# Altium PCB D11_LOCK_v1_0.PcbDoc (continued)
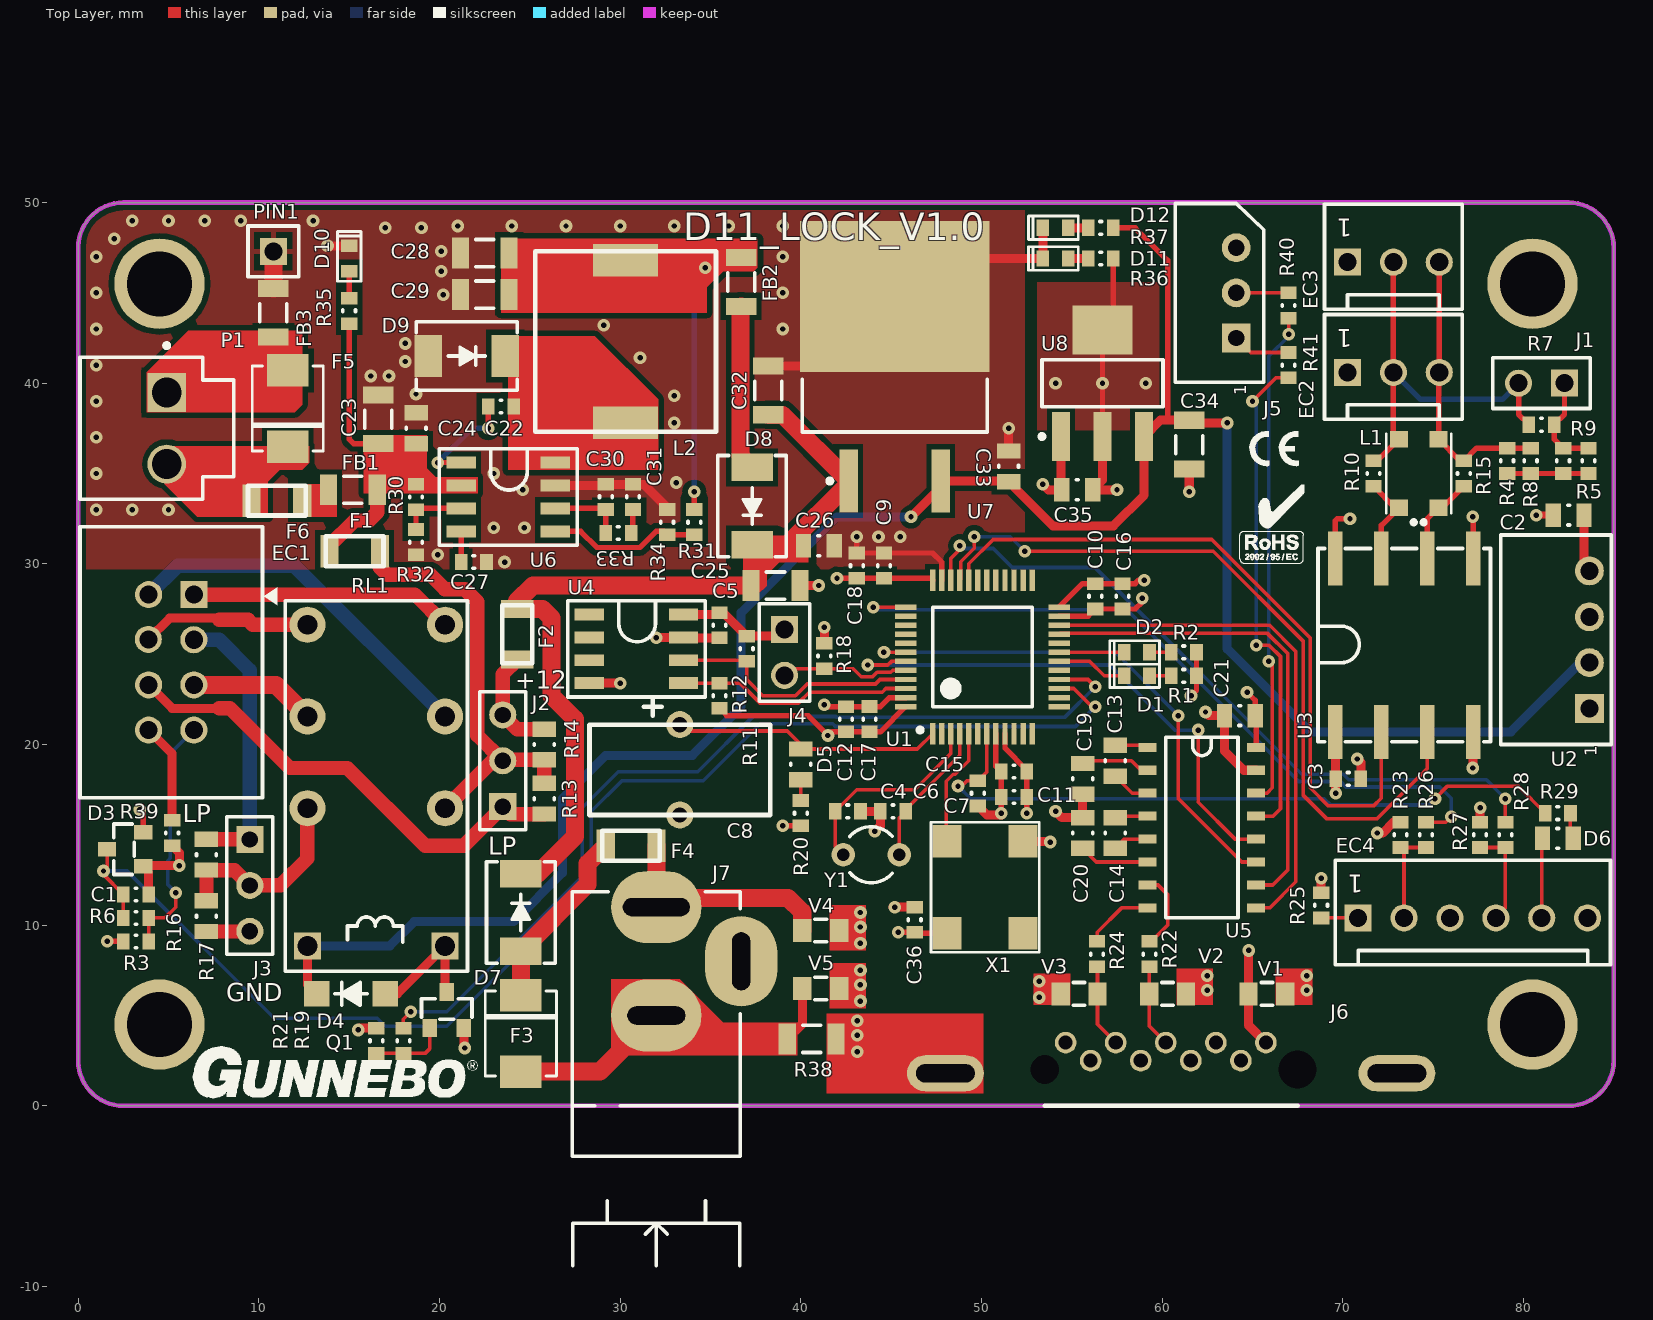
[diagram p0: Top Layer view]
## Footprints (in the part's own frame and the unit in brackets; to place one, negate y for a bottom-side part, rotate by r counter-clockwise, add the part's x,y. Pads: shape width x height; smd on the part's side, far side on the other; paste and mask are expansions set on the pad) (continued)
Oscillator_7x5 [mm]
  rect 1.8x1.6 smd: 1(-2.54,-2.1) 2(2.54,-2.1) 3(2.54,2.1) 4(-2.54,2.1)
  silkscreen extent -3.6,-3 3.6,3, body extent -3.5,-2.5 3.5,2.5, height 1.37
PIN_Debug [mm]
  rect 1.5x1.5 hole 1: 1(0,0)
  silkscreen extent -1.4,-1.4 1.4,1.4, body extent -1.27,-1.22 1.27,1.22, height 10.3
POLYFUSE_1206L [mm]
  rect 1x1.8 smd: 1(-1.4,0) 2(1.4,0)
  silkscreen extent -1.6,-0.83 1.6,0.83, body extent -1.6,-0.83 1.6,0.83, height 1.43
POWER_JACK_5.5_2.1MM_NS_v1.1 [mm]
  oval 5x4 hole 1 slot 3.7 at 0 deg: 1(0,0)
  oval 5x4 hole 1 slot 3.2 at 0 deg: 2(0,6)
  oval 4x5 hole 1 slot 3.2 at 90 deg: 3(-4.7,3)
  silkscreen extent -4.65,-0.85 4.65,19.85, body extent -4.9,-0.7 4.5,13.7, height 11.02
R38 [mm] "Crystal, Thru-Hole; 2 Leads; Body 3.1 x 8.2 mm (Dia.xH)"
  round 1.3 hole 0.7: 1(0,1.55) 2(0,-1.55)
  silkscreen extent -1.55,-1.19 1.55,1.17
R0603 [mm] "Chip Resistor, Body 1.6x0.8mm, IPC High Density"
  rect 0.7x0.9 smd: 1(-0.7,0) 2(0.7,0)
  silkscreen extent -0.05,-0.35 0.05,0.35, body extent -0.85,-0.47 0.85,0.47, height 0.6
R0805 [mm] "Chip Resistor, Body 2.0x1.3mm, IPC High Density"
  rect 0.85x1.3 smd: 1(-0.85,0) 2(0.85,0)
  silkscreen extent -0.05,-0.55 0.05,0.55, body extent -1.1,-0.67 1.1,0.68, height 0.7
R1206 [mm] "Chip Resistor, Body 3.2x1.6mm, IPC High Density"
  rect 0.95x1.7 smd: 1(-1.35,0) 2(1.35,0)
  silkscreen extent -0.5,-0.75 0.5,0.75, body extent -1.67,-0.87 1.67,0.87, height 0.75
RL-OMRON-G5V-2-5VDC [mm]
  rect 1.5x1.5 hole 1.1: 1(-8.85,3.81) 16(-8.85,-3.81)
  round 2 hole 1.1: 4(-1.23,3.81) 6(3.85,3.81) 8(8.93,3.81) 9(8.93,-3.81) 11(3.85,-3.81) 13(-1.23,-3.81)
  silkscreen extent -10.25,-5.05 10.25,5.05, body extent -10.2,-5 10.2,5, height 11.43
SMB [mm]
  rect 1.52x2.3 smd: 1(-2.135,0) 2(2.135,0)
  round 0.8 on Mech3: PEGA(0,0)
  silkscreen extent -2.8,-1.9 2.8,1.9, body extent -2.79,-1.97 2.79,1.97, height 2.65
SO08 [mil]
  rect 64x26 smd: 1(-102.5,75) 2(-102.5,25) 3(-102.5,-25) 4(-102.5,-75) 5(102.5,-75) 6(102.5,-25) 7(102.5,25) 8(102.5,75)
  silkscreen extent -150,-105 150,105, body extent -118,-96 118,96, height 69
SOD123 [mm]
  rect 1.4x1.4 smd: 1(-1.9,0) 2(1.9,0)
  rect 1x1 on Mech3: PEGA(0,0)
  silkscreen extent -0.89,-0.64 0.89,0.64, body extent -1.95,-0.9 1.95,0.9, height 1.18
SOIC16 [mm]
  rect 1x0.5 smd: 1(-3,4.445) 2(-3,3.175) 3(-3,1.905) 4(-3,0.635) 5(-3,-0.635) 6(-3,-1.905) 7(-3,-3.175) 8(-3,-4.445) 9(3,-4.445) 10(3,-3.175) 11(3,-1.905) 12(3,-0.635) 13(3,0.635) 14(3,1.905) 15(3,3.175) 16(3,4.445)
  silkscreen extent -2,-5 2,5, body extent -3,-4.95 3,4.95, height 1.4
SOT23 [mm]
  rect 0.8x1 smd: 1(-0.95,-1) 2(0.95,-1) 3(0,1)
  round 0.8 on Mech3: PEGA(-1.397,0) PEGA(1.397,0)
  silkscreen extent -1.4,-0.51 1.4,0.64, body extent -1.5,-1.25 1.5,1.25, height 1.11
"SOT23 - RJ" [mm]
  rect 0.8x1 smd: D(0,1) G(-0.95,-1) S(0.95,-1)
  round 0.8 on Mech3: PEGA(-1.397,0) PEGA(1.397,0)
  silkscreen extent -1.4,-0.51 1.4,0.64, body extent -1.5,-1.25 1.5,1.25, height 1.11
SOT223_ [mm] "SOT223, 4-Leads, Body 6.5x3.5mm, Pitch 2.3mm, Lead Span 7mm, IPC Low Density"
  rect 2.7x1 smd: 1(-2.95,2.3) 2(-2.95,0) 3(-2.95,-2.3)
  rect 2.7x3.3 smd: 4(2.95,0)
  silkscreen extent -3.07,-3.35 1.3,3.47, body extent -3.48,-3.25 3.48,3.25, height 1.65
SRU1048-470Y [mm]
  rect 1.8x3.6 smd: 1(-4.5,0) 2(4.5,0)
  silkscreen extent -5,-5 5,5, body extent -4.3,-4.1 4.3,4.1, height 3.9
STM-LQFP48_N_3d [mm] "QFP, 48-Leads, Body 7x7mm, Pitch 0.5mm, IPC Medium Density"
  rect 1.2x0.3 smd: 1(-4.25,2.75) 2(-4.25,2.25) 3(-4.25,1.75) 4(-4.25,1.25) 5(-4.25,0.75) 6(-4.25,0.25) 7(-4.25,-0.25) 8(-4.25,-0.75) 9(-4.25,-1.25) 10(-4.25,-1.75) 11(-4.25,-2.25) 12(-4.25,-2.75) 25(4.25,-2.75) 26(4.25,-2.25) 27(4.25,-1.75) 28(4.25,-1.25) 29(4.25,-0.75) 30(4.25,-0.25) 31(4.25,0.25) 32(4.25,0.75) 33(4.25,1.25) 34(4.25,1.75) 35(4.25,2.25) 36(4.25,2.75)
  rect 0.3x1.2 smd: 13(-2.75,-4.25) 14(-2.25,-4.25) 15(-1.75,-4.25) 16(-1.25,-4.25) 17(-0.75,-4.25) 18(-0.25,-4.25) 19(0.25,-4.25) 20(0.75,-4.25) 21(1.25,-4.25) 22(1.75,-4.25) 23(2.25,-4.25) 24(2.75,-4.25) 37(2.75,4.25) 38(2.25,4.25) 39(1.75,4.25) 40(1.25,4.25) 41(0.75,4.25) 42(0.25,4.25) 43(-0.25,4.25) 44(-0.75,4.25) 45(-1.25,4.25) 46(-1.75,4.25) 47(-2.25,4.25) 48(-2.75,4.25)
  silkscreen extent -4.17,-2.75 2.75,3.57, body extent -4.57,-4.57 4.57,4.57, height 1.62
VC080526C580 [mm] "Chip Capacitor, 2-Leads, Body 2,00x1,25mm, IPC Medium Density"
  rect 1.02x1.27 smd: 1(-1.02,0) 2(1.02,0)
  silkscreen extent -0.32,-0.63 0.32,0.63, body extent -1,-0.62 1,0.63, height 1.25

## Part data
C1 C5 C7 C9 C10 C11 C12 C22 C36: library part 6003071, "Capacitor", Codigo=6003071, DescripcionArticulo="COND. CERAMICO SMD 0603 100 NF X7R 50V 10%", LatestRevisionDate=17-Jul-2002, LatestRevisionNote="Re-released for DXP Platform.", PackageDescription="Radial Cap, Thru-Hole; 2 Leads; 0.3 in Pin Spacing", PackageReference=RAD-0.3, Published=8-Jun-2000, Publisher="Altium Limited", tipo=condensador, valor=100n
C2 C33 C35: library part 6003114, "Capacitor", Codigo=6003114, DescripcionArticulo="COND. CERAMICO SMD 0805 10 UF 6.3V -10V", LatestRevisionDate=17-Jul-2002, LatestRevisionNote="Re-released for DXP Platform.", PackageDescription="Radial Cap, Thru-Hole; 2 Leads; 0.3 in Pin Spacing", PackageReference=RAD-0.3, Published=8-Jun-2000, Publisher="Altium Limited", tipo=condensador, valor=10uF
C3: library part 6003088, "Capacitor", Codigo=6003088, DescripcionArticulo="COND. CERAMICO SMD 0603 1 UF X5R 10V 10%", LatestRevisionDate=17-Jul-2002, LatestRevisionNote="Re-released for DXP Platform.", PackageDescription="Radial Cap, Thru-Hole; 2 Leads; 0.3 in Pin Spacing", PackageReference=RAD-0.3, Published=8-Jun-2000, Publisher="Altium Limited", tipo=condensador, valor=1u
C4 C6: library part 6003068, "Capacitor", Codigo=6003068, DescripcionArticulo="COND. CERAMICO SMD 0603 10 PF X7R 50V", LatestRevisionDate=17-Jul-2002, LatestRevisionNote="Re-released for DXP Platform.", PackageDescription="Radial Cap, Thru-Hole; 2 Leads; 0.3 in Pin Spacing", PackageReference=RAD-0.3, Published=8-Jun-2000, Publisher="Altium Limited", tipo=condensador, valor=10p
C8: library part 3023047, "Polarized Capacitor (Axial)", Codigo=3023047, DescripcionArticulo="CONDENSADOR EECS0HD224V 0,22F 5,5 V", LatestRevisionDate=17-Jul-2002, LatestRevisionNote="Re-released for DXP Platform.", PackageDescription="Polarized Capacitor; 2 Leads", PackageReference=POLAR0.8, Published=8-Jun-2000, Publisher="Altium Limited", tipo=condensador, valor=0,22F
C13 C14 C19 C20: library part 6003055, "Capacitor", Codigo=6003055, DescripcionArticulo="COND. CERAMICO SMD 0805 470NF X7R 50V 10%", LatestRevisionDate=17-Jul-2002, LatestRevisionNote="Re-released for DXP Platform.", PackageDescription="Radial Cap, Thru-Hole; 2 Leads; 0.3 in Pin Spacing", PackageReference=RAD-0.3, Published=8-Jun-2000, Publisher="Altium Limited", tipo=condensador, valor=470nF
C15 C16 C17 C18 C27 C31: library part 6003067, "Capacitor", Codigo=6003067, DescripcionArticulo="COND. CERAMICO SMD 0603 10 NF X7R 50V 10%", LatestRevisionDate=17-Jul-2002, LatestRevisionNote="Re-released for DXP Platform.", PackageDescription="Radial Cap, Thru-Hole; 2 Leads; 0.3 in Pin Spacing", PackageReference=RAD-0.3, Published=8-Jun-2000, Publisher="Altium Limited", tipo=condensador, valor=10n
C21 C24 C26: library part 6003010, "Capacitor", Codigo=6003010, DescripcionArticulo="COND. CERAMICO SMD 0805 100 NF 50V 10%", LatestRevisionDate=17-Jul-2002, LatestRevisionNote="Re-released for DXP Platform.", PackageDescription="Radial Cap, Thru-Hole; 2 Leads; 0.3 in Pin Spacing", PackageReference=RAD-0.3, Published=8-Jun-2000, Publisher="Altium Limited", tipo=condensador, valor=100nF
C23 C25 C28 C29 C32 C34: library part 6003031, "Capacitor", Codigo=6003031, DescripcionArticulo="COND. CERAMICO SMD 1206 10 UF X5R 35V 10%", LatestRevisionDate=17-Jul-2002, LatestRevisionNote="Re-released for DXP Platform.", PackageDescription="Radial Cap, Thru-Hole; 2 Leads; 0.3 in Pin Spacing", PackageReference=RAD-0.3, Published=8-Jun-2000, Publisher="Altium Limited", tipo=condensador, valor=10uF
C30: library part 6003092, "Capacitor", Codigo=6003092, DescripcionArticulo="COND. CERAMICO SMD 0603 100 PF X5R 50V 10%", LatestRevisionDate=17-Jul-2002, LatestRevisionNote="Re-released for DXP Platform.", PackageDescription="Radial Cap, Thru-Hole; 2 Leads; 0.3 in Pin Spacing", PackageReference=RAD-0.3, Published=8-Jun-2000, Publisher="Altium Limited", tipo=condensador, valor=100p
D1 D2 D10 D11 D12: library part 6006022, "Typical RED, GREEN, YELLOW, AMBER GaAs LED", Codigo=6006022, DescripcionArticulo="DIODO LED VERDE SML-LX0603GW 1.6X0.8X0.6", Escandallo=Sí, LatestRevisionDate=17-Jul-2002, LatestRevisionNote="Re-released for DXP Platform.", PackageDescription="SM LED; 2 Flat Leads", PackageReference=3.2X1.6X1.1, PackageVersion=Feb-2002, Published=8-Jun-2000, Publisher="Altium Limited", tipo=diodo, valor=LED_G
D3: library part 6006051, "High Current Density Surface Mount Schottky Rectifier", Codigo=6006051, DescripcionArticulo="DIODO SMD BAT54S Schottky 30V,200mA VISHAY", Escandallo=Sí, tipo=diodo, valor=BAT54S
D4: library part LL4148_(06006001), "DIODE SWITCH,100V,150MA,SOD123", Codigo=06006001, Sallen Ref=06006001
D5 D6: library part 6006002, "Schottky Diode", Code_JEDEC=DO-214-AA, Codigo=6006002, DescripcionArticulo="DIODO SMD TMMBAT48 SCHORTKY", Escandallo=Sí, LatestRevisionDate=17-Jul-2002, LatestRevisionNote="Re-released for DXP Platform.", PackageDescription="DO-214-AA/SMB; 2 C-Bend Leads; Body 5.3 x 3.6 mm, inc. leads (LxW)", PackageReference=SMB, Published=8-Jun-2000, Publisher="Altium Limited", tipo=diodo, valor=BAT48
D7 D8 D9: library part 6006033, "Schottky Diode", Code_JEDEC=DO-214-AA, Codigo=6006033, Descripcion2Articulo=/ONsemi/Vishay/Farchild/TaiwanS, DescripcionArticulo="DIODO SS26 SCHOTTKY CASE: SMB  2AMP 60V", Escandallo=Sí, LatestRevisionDate=17-Jul-2002, LatestRevisionNote="Re-released for DXP Platform.", PackageDescription="DO-214-AA/SMB; 2 C-Bend Leads; Body 5.3 x 3.6 mm, inc. leads (LxW)", PackageReference=SMB, Published=8-Jun-2000, Publisher="Altium Limited", tipo=diodo, valor=SS26
EC1: library part Conn_JST_XADSS_8_vias, "Conector 8(2x4) vias (3A)", Part Number=-, Codigo=05100217, Sallen Ref=05100217
EC2 EC3: library part 5100106, "2.54mm pitch Terminal Block 3P", Part Number=Conexcon-2545-2-03-1, Codigo=5100106, DescripcionArticulo="CON.RECTO MACHO 3P SERIE 2545 PASO 2.54", Escandallo=Sí, Sallen Ref=05100106, tipo=conector, valor=RECTO3P
EC4: library part 5100107, "2.54mm pitch Terminal Block 6P", Codigo=5100107, DescripcionArticulo="CON.RECTO MACHO 6P SERIE 2545 PASO 2.54", Escandallo=Sí, Part Number=Conexcon-2545-2-06-1, Sallen Ref=05100107, tipo=conector, valor=RECTO6P
F1 F2 F4 F6: library part POLYFUSE_1206L050/24, www.digikey.com=507-1803-1-ND
F3 F5: library part SMBJ12CA, "TVS 12V 600W Bidir SMD", Fabricante=Littelfuse, Montaje=-, Referencia=SMBJ12CA
FB1 FB2 FB3: library part 4039004, "Chip Ferrite Bead for Power Lines, 33 Ohm, 6000 mA, , -55 to 125 degC, 3.2 x 1.6 x 1.3 mm SMD, Tape and Reel", Codigo=4039004, DescripcionArticulo="FERRITA ILHB1206ER121V 6A-0.02", Escandallo=Sí, tipo=ferrita, valor=ILHB1206ER121V
J1 J4: library part 5190140, "Jumper 2pin P=2.54mm", Part Number=-, Codigo=5190140, DescripcionArticulo="JUMPER PARA POSTE AISLADO- PASO: 2.54MM (CO 3005)", Escandallo=Sí, Sallen Ref=05190140, tipo=conector, valor=JMP
J2 J3: library part 5190120, "Header, 3-Pin", Codigo=5190120, Descripcion2Articulo="Pin Strip Header 1x3", DescripcionArticulo="BARRA TIRA POSTE C.I M+M 1X3 RECTA paso 2.54mm", Escandallo=Sí, LatestRevisionDate=17-Jul-2002, LatestRevisionNote="Re-released for DXP Platform.", Publisher="Altium Limited"
J5: library part 5100079, "Molex_MKS_19023", Codigo=5100079, DescripcionArticulo="CONEC.MACHO 3P STOCKO MKS19023", Escandallo=Sí, Sallen Ref=05100079, valor=MOLEX_MKS_19023
J7: library part PJ-002AH_v1.1, "CONN PWR JACK 2.1X5.5MM HIGH CUR", Color=Black, Current Rating=5A, Manufacturer="CUI Inc", Operating Temperature="-25°C ~ 85°C", Supplier Part Number=CP-002AH-ND, Voltage - Rated=24VDC, .Checked PCB=MM, .Checked SCH=MM, .Creator=MM, Category="Connectors, Interconnects", ComponentLink1Description=http://products.cui.com/GetSpecForDigiKey.aspx?MFGNum=PJ-002AH, ComponentLink1URL=http://products.cui.com/GetSpecForDigiKey.aspx?MFGNum=PJ-002AH, Connector Type=Jack, Contact Material="Copper Alloy", Contact Material - Plating=Nickel, Family="Barrel - Power", Features=-, Gender=Male, Housing Color=Black, Housing Material=Thermoplastic, Internal Switch(s)="Single Switch, Normally Closed", Manufacturer Part Number=PJ-002AH, Mating connector="2.1mm ID, 5.5mm OD", Mounting Type="Through Hole, Right Angle", Number of Positions/Contacts="2 Conductors, 3 Contacts", Plug/Mating Plug Diameter="2.1mm ID, 5.5mm OD", Price 1k [$]=0.23625, Pricing 1="1=1.01, 10=0.704, 100=0.4724, 500=0.3819, 1000=0.3417, 2500=0.27135 (USD)", RoHS="RoHS Compliant", Shielding=Unshielded, Stock 1=138933, Supplier=Digikey, Supplier 1=Digi-Key, Supplier Part Number 1=CP-002AH-ND, Termination="Solder Eyelet(s)", www.digikey.com=CP-002AH-ND
L1: library part 6012027, "Bobina Common mode 51uH 230mA 1.0Ohm SMD 1812 /Murata", Codigo=6012027, Descripcion2Articulo="DLW43SH510XK2L MURATA", DescripcionArticulo="DLW43SH510XK2L SMD Common Mode Choke 1812", Escandallo=Sí, Mfg1_PN=DLW43SH510XK2, Mfg2=Murata, Sallen Ref=06012027, tipo=bobina, valor=DLW43SH510XK2L
L2: library part SRU1048-470Y, "SRU1048-470Y", www.digikey.com=SRU1048-470YCT-ND
P1: library part 5110017, "Male Header, Pitch 3.96 mm, 1 x 2 Position, Height 10.9 mm, Tail Length 3.7 mm, -25 to 85 degC, RoHS, Bulk", Capacitance="27 pF", Case/Package=0603, Case Code (Metric)=1608, Max Operating Temperature=125degC, Min Operating Temperature=-55degC, Package Quantity=4000, Resistance="100000000000 Ohm", Tolerance=5%, Type (Capacitors)=C0G, Voltage Rating="50 V", Case Code (Imperial)=0603, Codigo=5110017, ComponentLink1Description="Manufacturer URL", ComponentLink1URL=http://www.jst.com/home2.html, ComponentLink2Description=Datasheet, ComponentLink2URL=http://www.jst-mfg.com/product/pdf/eng/eVH.pdf, DatasheetVersion=May-16, DescripcionArticulo="CONEC. MACHO RECTO 2 VIA C.I PASO 3,96MM", Escandallo=Sí, Height="0.8 mm", Length="1.6 mm", Mount="Surface Mount", PackageDescription="Male Header, Pitch 3.96 mm, 1 x 2 Position, Height 10.9 mm, Tail Length 3.7 mm", PackageReference=B2P-VH(LF)(SN), Packaging="Tape and Reel", Pins=2, Radiation Hardening=No, REACH SVHC="No SVHC", RoHSCompliant=True, tipo=conector, valor=B2P-VH(LF)(SN), Voltage Rating (DC)="50 V", Width="0.8 mm"
PIN1: library part Pin_Debug, "PIN DE NET PUNTUAL /Pin Strip", Codigo=05190126, Sallen Ref=05190126
Q1: "N-Channel Logic Level Enhancement Mode Field Effect Transistor", Codigo=06004021, Part Number=BSS138-SOT23, Sallen Ref=06004021
R1 R2 R6 R36: library part 6005080, "Resistor", Codigo=6005080, DescripcionArticulo="RESISTENCIA SMD 0603 330 OHM, 1% 0.1W", LatestRevisionDate=17-Jul-2002, LatestRevisionNote="Re-released for DXP Platform.", PackageDescription="Axial Device, Thru-Hole; 2 Leads; 0.3 in Pin Spacing", PackageReference=AXIAL-0.3, Published=8-Jun-2000, Publisher="Altium Limited", tipo=resistencia, valor="330 OHM"
R3 R21: library part 6005096, "Resistor", Codigo=6005096, DescripcionArticulo="RESISTENCIA SMD 0603 4K7, 1% 0.1W", LatestRevisionDate=17-Jul-2002, LatestRevisionNote="Re-released for DXP Platform.", PackageDescription="Axial Device, Thru-Hole; 2 Leads; 0.3 in Pin Spacing", PackageReference=AXIAL-0.3, Published=8-Jun-2000, Publisher="Altium Limited", tipo=resistencia, valor=4K7
R4 R5 R8 R9: library part 6005086, "Resistor", Codigo=6005086, DescripcionArticulo="RESISTENCIA SMD 0603 120 OHM, 1% 0.1W", LatestRevisionDate=17-Jul-2002, LatestRevisionNote="Re-released for DXP Platform.", PackageDescription="Axial Device, Thru-Hole; 2 Leads; 0.3 in Pin Spacing", PackageReference=AXIAL-0.3, Published=8-Jun-2000, Publisher="Altium Limited", tipo=resistencia, valor="120 OHM"
R7 R10 R15 R25 R39: library part 6005124, "Resistor", Codigo=6005124, DescripcionArticulo="RESISTENCIA SMD 0603 0 OHM, 1% 0.1W", LatestRevisionDate=17-Jul-2002, LatestRevisionNote="Re-released for DXP Platform.", PackageDescription="Axial Device, Thru-Hole; 2 Leads; 0.3 in Pin Spacing", PackageReference=AXIAL-0.3, Published=8-Jun-2000, Publisher="Altium Limited", tipo=resistencia, valor="0 OHM"
R11 R12 R35: library part 6005073, "Resistor", Codigo=6005073, DescripcionArticulo="RESISTENCIA SMD 0603 2K2, 1% 0.1W", LatestRevisionDate=17-Jul-2002, LatestRevisionNote="Re-released for DXP Platform.", PackageDescription="Axial Device, Thru-Hole; 2 Leads; 0.3 in Pin Spacing", PackageReference=AXIAL-0.3, Published=8-Jun-2000, Publisher="Altium Limited", tipo=resistencia, valor=2K2
R13 R14 R16 R17: library part 6005227, "Resistor", Codigo=6005227, DescripcionArticulo="RESISTENCIA SMD 0805 0 OHM, 1% 0.1W", LatestRevisionDate=17-Jul-2002, LatestRevisionNote="Re-released for DXP Platform.", PackageDescription="Axial Device, Thru-Hole; 2 Leads; 0.3 in Pin Spacing", PackageReference=AXIAL-0.3, Published=8-Jun-2000, Publisher="Altium Limited", tipo=resistencia, valor="0 OHM"
R18: library part 6005102, "Resistor", Codigo=6005102, DescripcionArticulo="RESISTENCIA SMD 0603 10 K, 1%", LatestRevisionDate=17-Jul-2002, LatestRevisionNote="Re-released for DXP Platform.", PackageDescription="Axial Device, Thru-Hole; 2 Leads; 0.3 in Pin Spacing", PackageReference=AXIAL-0.3, Published=8-Jun-2000, Publisher="Altium Limited", tipo=resistencia, valor="10 K"
R19 R22 R24 R26 R28 R40 R41: library part 6005074, "Resistor", Codigo=6005074, DescripcionArticulo="RESISTENCIA SMD 0603 33 OHM, 1% 0.1W", LatestRevisionDate=17-Jul-2002, LatestRevisionNote="Re-released for DXP Platform.", PackageDescription="Axial Device, Thru-Hole; 2 Leads; 0.3 in Pin Spacing", PackageReference=AXIAL-0.3, Published=8-Jun-2000, Publisher="Altium Limited", tipo=resistencia, valor="33 OHM"
R20: library part 6005087, "Resistor", Codigo=6005087, DescripcionArticulo="RESISTENCIA SMD 0603 150 OHM, 1% 0.1W", LatestRevisionDate=17-Jul-2002, LatestRevisionNote="Re-released for DXP Platform.", PackageDescription="Axial Device, Thru-Hole; 2 Leads; 0.3 in Pin Spacing", PackageReference=AXIAL-0.3, Published=8-Jun-2000, Publisher="Altium Limited", tipo=resistencia, valor="150 OHM"
R23 R27: library part 6005075, "Resistor", Codigo=6005075, DescripcionArticulo="RESISTENCIA SMD 0603 100 K, 1%", LatestRevisionDate=17-Jul-2002, LatestRevisionNote="Re-released for DXP Platform.", PackageDescription="Axial Device, Thru-Hole; 2 Leads; 0.3 in Pin Spacing", PackageReference=AXIAL-0.3, Published=8-Jun-2000, Publisher="Altium Limited", tipo=resistencia, valor="100 K"
R29: library part 6005111, "Resistor", Codigo=6005111, DescripcionArticulo="RESISTENCIA SMD 0603 1 K, 1% 0.1W", LatestRevisionDate=17-Jul-2002, LatestRevisionNote="Re-released for DXP Platform.", PackageDescription="Axial Device, Thru-Hole; 2 Leads; 0.3 in Pin Spacing", PackageReference=AXIAL-0.3, Published=8-Jun-2000, Publisher="Altium Limited", tipo=resistencia, valor="1 K"
R30: library part 6005109, "Resistor", Codigo=6005109, DescripcionArticulo="RESISTENCIA SMD 0603 150 K, 1% 0.1W", LatestRevisionDate=17-Jul-2002, LatestRevisionNote="Re-released for DXP Platform.", PackageDescription="Axial Device, Thru-Hole; 2 Leads; 0.3 in Pin Spacing", PackageReference=AXIAL-0.3, Published=8-Jun-2000, Publisher="Altium Limited", tipo=resistencia, valor="150 K"
R31: library part 6005127, "Resistor", Codigo=6005127, DescripcionArticulo="RESISTENCIA SMD 0603 11 K, 1% 0.1W", LatestRevisionDate=17-Jul-2002, LatestRevisionNote="Re-released for DXP Platform.", PackageDescription="Axial Device, Thru-Hole; 2 Leads; 0.3 in Pin Spacing", PackageReference=AXIAL-0.3, Published=8-Jun-2000, Publisher="Altium Limited", tipo=resistencia, valor="11 K"
R32 R33: library part 6005123, "Resistor", Codigo=6005123, DescripcionArticulo="RESISTENCIA SMD 0603 16 K, 1% 0.1W", LatestRevisionDate=17-Jul-2002, LatestRevisionNote="Re-released for DXP Platform.", PackageDescription="Axial Device, Thru-Hole; 2 Leads; 0.3 in Pin Spacing", PackageReference=AXIAL-0.3, Published=8-Jun-2000, Publisher="Altium Limited", tipo=resistencia, valor="16 K"
R34: library part 6005131, "Resistor", Codigo=6005131, DescripcionArticulo="RESISTENCIA SMD 0603 750 OHM, 1% 0.1W", LatestRevisionDate=17-Jul-2002, LatestRevisionNote="Re-released for DXP Platform.", PackageDescription="Axial Device, Thru-Hole; 2 Leads; 0.3 in Pin Spacing", PackageReference=AXIAL-0.3, Published=8-Jun-2000, Publisher="Altium Limited", tipo=resistencia, valor="750 OHM"
R37: library part 6005076, "Resistor", Codigo=6005076, DescripcionArticulo="RESISTENCIA SMD 0603 470 OHM, 1%", LatestRevisionDate=17-Jul-2002, LatestRevisionNote="Re-released for DXP Platform.", PackageDescription="Axial Device, Thru-Hole; 2 Leads; 0.3 in Pin Spacing", PackageReference=AXIAL-0.3, Published=8-Jun-2000, Publisher="Altium Limited", tipo=resistencia, valor="470 OHM"
R38: library part 6005142, "Resistor", Codigo=6005142, DescripcionArticulo="RESISTENCIA SMD 1206 0 OHM, 1%", LatestRevisionDate=17-Jul-2002, LatestRevisionNote="Re-released for DXP Platform.", PackageDescription="Axial Device, Thru-Hole; 2 Leads; 0.3 in Pin Spacing", PackageReference=AXIAL-0.3, Published=8-Jun-2000, Publisher="Altium Limited", tipo=resistencia, valor="0 OHM"
RL1: "Omrom Relay G5V-2-5VDC", Codigo=05032015, Sallen Ref=05032015
U1: library part 4021038, Codigo=4021038, DescripcionArticulo="MICRO STM32F072CBT7 LQFP48", Escandallo=Sí, tipo=integrado, valor=STM32F072CBT7
U2: library part 4007001, "Convertidor DC/DC isolated 1W 5v/5v 1.8E DANUBE (eQ XpPower IE0505S)", Part Number=-, Codigo=4007001, DescripcionArticulo="CONVERTIDOR DC/DC 1W 5V/12V 1.8 MUS-0512", Escandallo=Sí, Sallen Ref=04007002, tipo=integrado, valor=MUS-0505